# KiCad board Erebus.kicad_pcb
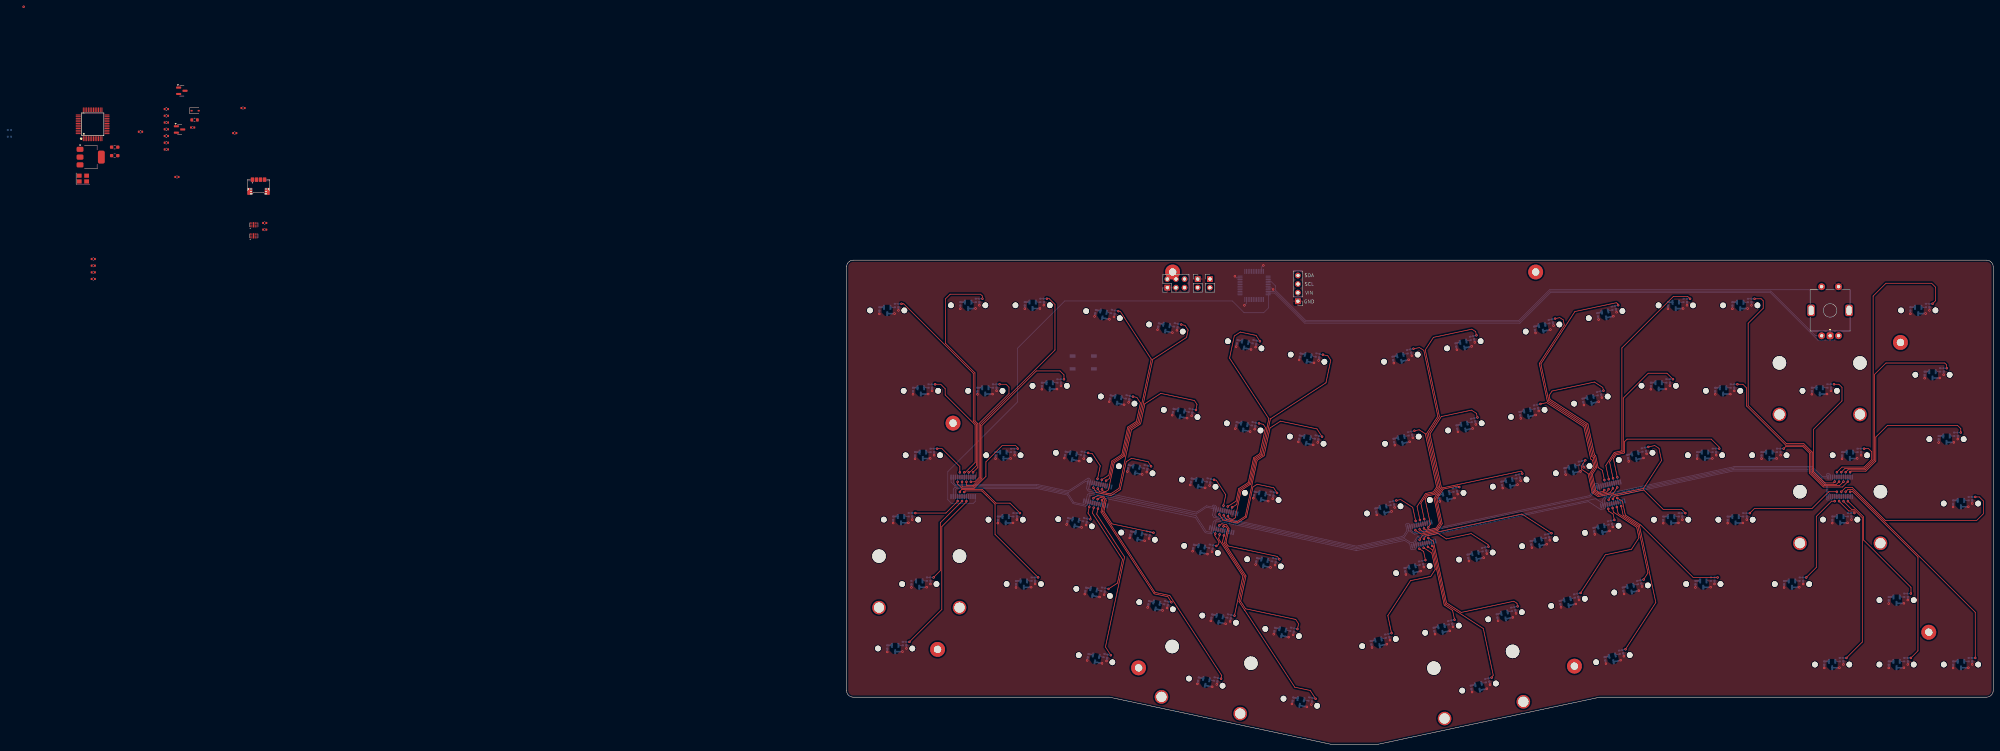
[diagram p0: board, top side]
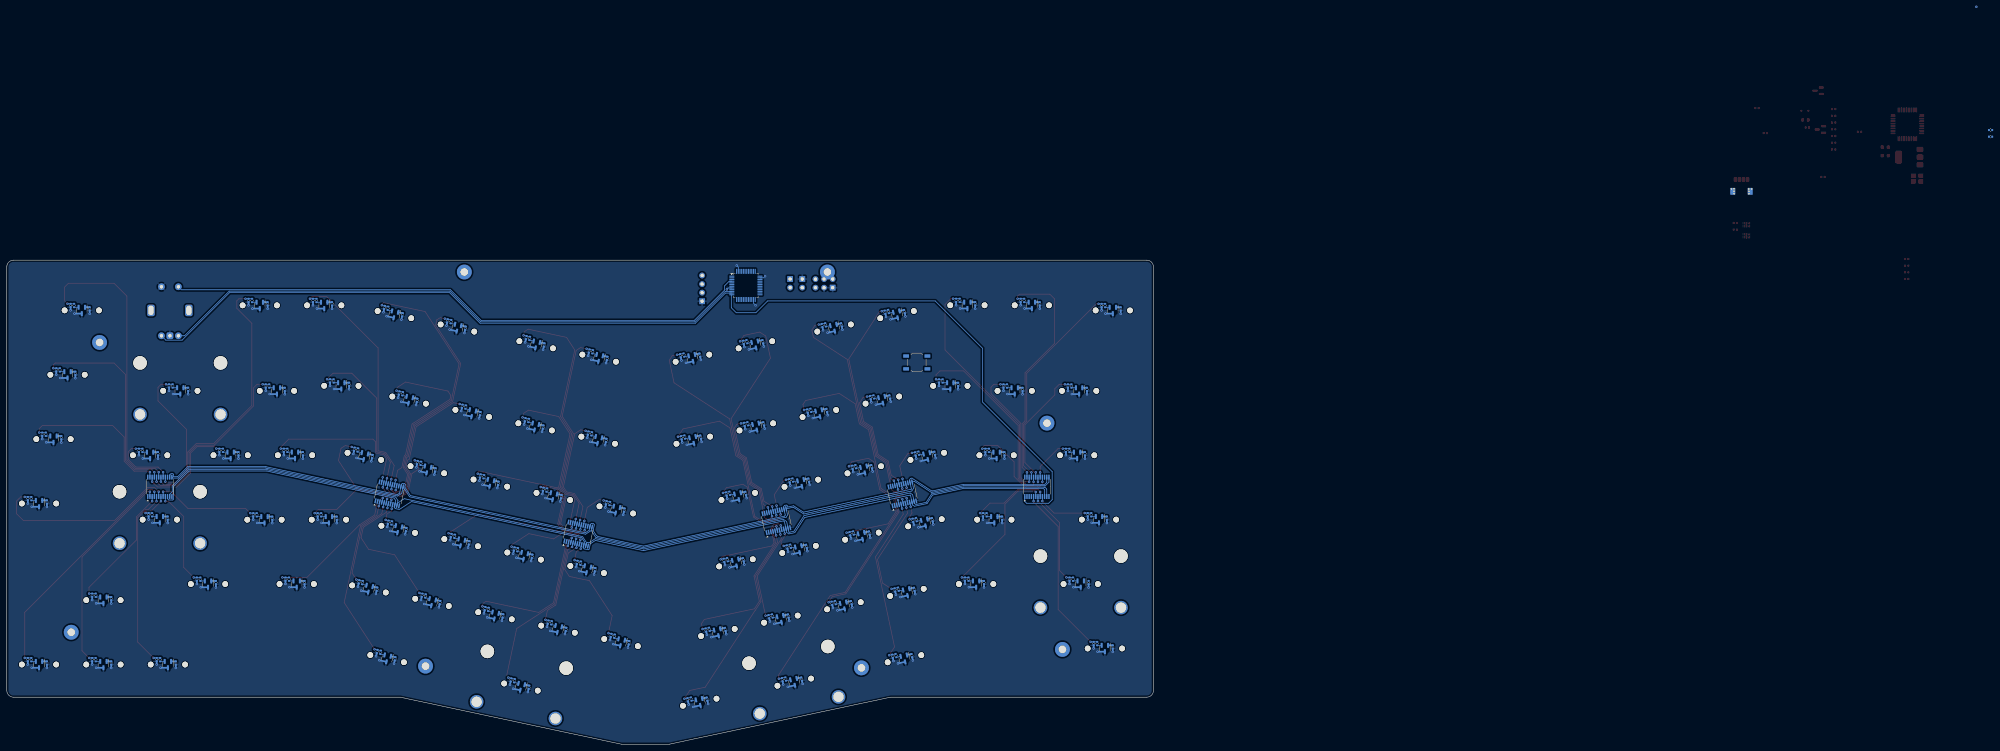
[diagram p1: board, bottom side, seen from below]

Outline 339.09 x 143.19 mm; copper layers: Top, Bottom. Coordinates in mm from the lower left corner of the outline.
Outline path: 0,141.19 0,15.92 arc(0.59,14.5) 2,13.92 77.71,13.92 143.19,0 157.22,0 222.7,13.92 337.09,13.92 arc(338.5,14.5) 339.09,15.92 339.09,141.19 arc(338.5,142.61) 337.09,143.19 2,143.19 arc(0.59,142.61) 0,141.19
Stack: Top 0.035mm / dielectric 1.51mm FR4 er 4.5 / Bottom 0.035mm

## Placement (name value [footprint] x y rotation side)
C1  10u  [C_0402_1005Metric]  -178.46 188.2 0 top
C2  100u  [C_0402_1005Metric]  -180.92 180.78 0 top
C3  22p  [C_0402_1005Metric]  -172.06 154.2 0 top
C4  22p  [C_0402_1005Metric]  -172.06 152.23 0 top
C5  100n  [C_0402_1005Metric]  -222.75 143.54 0 top
C6  100n  [C_0402_1005Metric]  -247.55 181.68 180 bottom
C7  100n  [C_0402_1005Metric]  -247.55 179.71 180 bottom
C8  100n  [C_0402_1005Metric]  -222.75 141.57 0 top
C9  100n  [C_0402_1005Metric]  -222.75 139.6 0 top
C10  100n  [C_0402_1005Metric]  -222.75 137.63 0 top
C11  100n  [C_0402_1005Metric]  9.69 128.78 90 bottom
C12  100n  [C_0402_1005Metric]  15.33 129.8 270 bottom
C13  100n  [C_0402_1005Metric]  33.63 130.29 90 bottom
C14  100n  [C_0402_1005Metric]  39.27 131.31 270 bottom
C15  100n  [C_0402_1005Metric]  52.7 130.3 90 bottom
C16  100n  [C_0402_1005Metric]  58.33 131.32 270 bottom
C17  100n  [C_0402_1005Metric]  73.64 127.99 78 bottom
C18  100n  [C_0402_1005Metric]  79.37 127.82 258 bottom
C19  100n  [C_0402_1005Metric]  92.26 124.04 78 bottom
C20  100n  [C_0402_1005Metric]  97.99 123.87 258 bottom
C21  100n  [C_0402_1005Metric]  115.53 119.08 78 bottom
C22  100n  [C_0402_1005Metric]  121.25 118.9 258 bottom
C23  100n  [C_0402_1005Metric]  134.14 115.12 78 bottom
C24  100n  [C_0402_1005Metric]  139.87 114.94 258 bottom
C25  100n  [C_0402_1005Metric]  161.54 114.16 102 bottom
C26  100n  [C_0402_1005Metric]  166.85 116.33 282 bottom
C27  100n  [C_0402_1005Metric]  180.17 118.13 102 bottom
C28  100n  [C_0402_1005Metric]  185.48 120.3 282 bottom
C29  100n  [C_0402_1005Metric]  203.45 123.08 102 bottom
C30  100n  [C_0402_1005Metric]  208.76 125.25 282 bottom
C31  100n  [C_0402_1005Metric]  222.08 127.04 102 bottom
C32  100n  [C_0402_1005Metric]  227.39 129.21 282 bottom
C33  100n  [C_0402_1005Metric]  242.89 130.28 90 bottom
C34  100n  [C_0402_1005Metric]  248.53 131.3 270 bottom
C35  100n  [C_0402_1005Metric]  261.95 130.28 90 bottom
C36  100n  [C_0402_1005Metric]  267.59 131.3 270 bottom
C37  100n  [C_0402_1005Metric]  314.58 128.79 90 bottom
C38  100n  [C_0402_1005Metric]  320.22 129.81 270 bottom
C39  100n  [C_0402_1005Metric]  19.65 104.98 90 bottom
C40  100n  [C_0402_1005Metric]  25.29 106 270 bottom
C41  100n  [C_0402_1005Metric]  38.7 104.98 90 bottom
C42  100n  [C_0402_1005Metric]  44.34 106 270 bottom
C43  100n  [C_0402_1005Metric]  57.75 106.47 90 bottom
C44  100n  [C_0402_1005Metric]  63.39 107.48 270 bottom
C45  100n  [C_0402_1005Metric]  77.98 102.73 78 bottom
C46  100n  [C_0402_1005Metric]  83.71 102.56 258 bottom
C47  100n  [C_0402_1005Metric]  96.62 98.76 78 bottom
C48  100n  [C_0402_1005Metric]  102.34 98.58 258 bottom
C49  100n  [C_0402_1005Metric]  115.26 94.8 78 bottom
C50  100n  [C_0402_1005Metric]  120.99 94.62 258 bottom
C51  100n  [C_0402_1005Metric]  133.9 90.86 78 bottom
C52  100n  [C_0402_1005Metric]  139.63 90.68 258 bottom
C53  100n  [C_0402_1005Metric]  161.83 89.89 102 bottom
C54  100n  [C_0402_1005Metric]  167.14 92.06 282 bottom
C55  100n  [C_0402_1005Metric]  180.48 93.84 102 bottom
C56  100n  [C_0402_1005Metric]  185.78 96.01 282 bottom
C57  100n  [C_0402_1005Metric]  199.08 97.82 102 bottom
C58  100n  [C_0402_1005Metric]  204.39 99.99 282 bottom
C59  100n  [C_0402_1005Metric]  217.74 101.76 102 bottom
C60  100n  [C_0402_1005Metric]  223.04 103.92 282 bottom
C61  100n  [C_0402_1005Metric]  237.84 106.48 90 bottom
C62  100n  [C_0402_1005Metric]  243.47 107.5 270 bottom
C63  100n  [C_0402_1005Metric]  256.87 104.98 90 bottom
C64  100n  [C_0402_1005Metric]  262.51 106 270 bottom
C65  100n  [C_0402_1005Metric]  285.45 104.99 90 bottom
C66  100n  [C_0402_1005Metric]  291.09 106.01 270 bottom
C67  100n  [C_0402_1005Metric]  318.8 109.74 90 bottom
C68  100n  [C_0402_1005Metric]  324.44 110.76 270 bottom
C69  100n  [C_0402_1005Metric]  20.25 85.93 90 bottom
C70  100n  [C_0402_1005Metric]  25.89 86.95 270 bottom
C71  100n  [C_0402_1005Metric]  44.06 85.93 90 bottom
C72  100n  [C_0402_1005Metric]  49.7 86.95 270 bottom
C73  100n  [C_0402_1005Metric]  64.7 86.07 78 bottom
C74  100n  [C_0402_1005Metric]  70.43 85.9 258 bottom
C75  100n  [C_0402_1005Metric]  83.33 82.11 78 bottom
C76  100n  [C_0402_1005Metric]  89.06 81.93 258 bottom
C77  100n  [C_0402_1005Metric]  101.95 78.13 78 bottom
C78  100n  [C_0402_1005Metric]  107.68 77.96 258 bottom
C79  100n  [C_0402_1005Metric]  120.59 74.22 78 bottom
C80  100n  [C_0402_1005Metric]  126.32 74.05 258 bottom
C81  100n  [C_0402_1005Metric]  156.49 69.28 102 bottom
C82  100n  [C_0402_1005Metric]  161.79 71.45 282 bottom
C83  100n  [C_0402_1005Metric]  175.11 73.26 102 bottom
C84  100n  [C_0402_1005Metric]  180.41 75.43 282 bottom
C85  100n  [C_0402_1005Metric]  193.72 77.21 102 bottom
C86  100n  [C_0402_1005Metric]  199.03 79.38 282 bottom
C87  100n  [C_0402_1005Metric]  212.36 81.17 102 bottom
C88  100n  [C_0402_1005Metric]  217.66 83.34 282 bottom
C89  100n  [C_0402_1005Metric]  230.99 85.12 102 bottom
C90  100n  [C_0402_1005Metric]  236.29 87.29 282 bottom
C91  100n  [C_0402_1005Metric]  251.53 85.94 90 bottom
C92  100n  [C_0402_1005Metric]  257.17 86.96 270 bottom
C93  100n  [C_0402_1005Metric]  270.56 85.94 90 bottom
C94  100n  [C_0402_1005Metric]  276.2 86.96 270 bottom
C95  100n  [C_0402_1005Metric]  294.38 85.93 90 bottom
C96  100n  [C_0402_1005Metric]  300.01 86.95 270 bottom
C97  100n  [C_0402_1005Metric]  322.95 90.7 90 bottom
C98  100n  [C_0402_1005Metric]  328.59 91.72 270 bottom
C99  100n  [C_0402_1005Metric]  13.78 66.89 90 bottom
C100  100n  [C_0402_1005Metric]  19.42 67.91 270 bottom
C101  100n  [C_0402_1005Metric]  44.73 66.88 90 bottom
C102  100n  [C_0402_1005Metric]  50.37 67.9 270 bottom
C103  100n  [C_0402_1005Metric]  65.4 66.44 78 bottom
C104  100n  [C_0402_1005Metric]  71.13 66.26 258 bottom
C105  100n  [C_0402_1005Metric]  84.03 62.48 78 bottom
C106  100n  [C_0402_1005Metric]  89.76 62.3 258 bottom
C107  100n  [C_0402_1005Metric]  102.62 58.55 78 bottom
C108  100n  [C_0402_1005Metric]  108.35 58.38 258 bottom
C109  100n  [C_0402_1005Metric]  121.27 54.59 78 bottom
C110  100n  [C_0402_1005Metric]  126.99 54.41 258 bottom
C111  100n  [C_0402_1005Metric]  165.1 51.64 102 bottom
C112  100n  [C_0402_1005Metric]  170.4 53.81 282 bottom
C113  100n  [C_0402_1005Metric]  183.73 55.62 102 bottom
C114  100n  [C_0402_1005Metric]  189.03 57.79 282 bottom
C115  100n  [C_0402_1005Metric]  202.36 59.59 102 bottom
C116  100n  [C_0402_1005Metric]  207.66 61.76 282 bottom
C117  100n  [C_0402_1005Metric]  220.97 63.53 102 bottom
C118  100n  [C_0402_1005Metric]  226.27 65.7 282 bottom
C119  100n  [C_0402_1005Metric]  241.51 66.87 90 bottom
C120  100n  [C_0402_1005Metric]  247.14 67.89 270 bottom
C121  100n  [C_0402_1005Metric]  260.56 66.87 90 bottom
C122  100n  [C_0402_1005Metric]  266.19 67.89 270 bottom
C123  100n  [C_0402_1005Metric]  291.51 66.89 90 bottom
C124  100n  [C_0402_1005Metric]  297.14 67.91 270 bottom
C125  100n  [C_0402_1005Metric]  327.22 71.65 90 bottom
C126  100n  [C_0402_1005Metric]  332.86 72.67 270 bottom
C127  100n  [C_0402_1005Metric]  19.18 47.84 90 bottom
C128  100n  [C_0402_1005Metric]  24.82 48.86 270 bottom
C129  100n  [C_0402_1005Metric]  50.1 47.84 90 bottom
C130  100n  [C_0402_1005Metric]  55.74 48.86 270 bottom
C131  100n  [C_0402_1005Metric]  70.73 45.84 78 bottom
C132  100n  [C_0402_1005Metric]  76.46 45.66 258 bottom
C133  100n  [C_0402_1005Metric]  89.35 41.89 78 bottom
C134  100n  [C_0402_1005Metric]  95.08 41.71 258 bottom
C135  100n  [C_0402_1005Metric]  107.99 37.93 78 bottom
C136  100n  [C_0402_1005Metric]  113.72 37.75 258 bottom
C137  100n  [C_0402_1005Metric]  126.63 33.98 78 bottom
C138  100n  [C_0402_1005Metric]  132.35 33.8 258 bottom
C139  100n  [C_0402_1005Metric]  173.71 33.99 102 bottom
C140  100n  [C_0402_1005Metric]  179.01 36.16 282 bottom
C141  100n  [C_0402_1005Metric]  192.35 37.96 102 bottom
C142  100n  [C_0402_1005Metric]  197.66 40.13 282 bottom
C143  100n  [C_0402_1005Metric]  210.97 41.93 102 bottom
C144  100n  [C_0402_1005Metric]  216.27 44.1 282 bottom
C145  100n  [C_0402_1005Metric]  229.61 45.89 102 bottom
C146  100n  [C_0402_1005Metric]  234.92 48.06 282 bottom
C147  100n  [C_0402_1005Metric]  251.03 47.84 90 bottom
C148  100n  [C_0402_1005Metric]  256.67 48.86 270 bottom
C149  100n  [C_0402_1005Metric]  277.24 47.83 90 bottom
C150  100n  [C_0402_1005Metric]  282.88 48.85 270 bottom
C151  100n  [C_0402_1005Metric]  308.18 43.08 90 bottom
C152  100n  [C_0402_1005Metric]  313.82 44.1 270 bottom
C153  100n  [C_0402_1005Metric]  12.04 28.78 90 bottom
C154  100n  [C_0402_1005Metric]  17.68 29.8 270 bottom
C155  100n  [C_0402_1005Metric]  71.44 26.22 78 bottom
C156  100n  [C_0402_1005Metric]  77.17 26.04 258 bottom
C157  100n  [C_0402_1005Metric]  104.05 19.28 78 bottom
C158  100n  [C_0402_1005Metric]  109.77 19.11 258 bottom
C159  100n  [C_0402_1005Metric]  132 13.35 78 bottom
C160  100n  [C_0402_1005Metric]  137.73 13.18 258 bottom
C161  100n  [C_0402_1005Metric]  184.67 16.87 102 bottom
C162  100n  [C_0402_1005Metric]  189.97 19.04 282 bottom
C163  100n  [C_0402_1005Metric]  224.26 25.28 102 bottom
C164  100n  [C_0402_1005Metric]  229.56 27.45 282 bottom
C165  100n  [C_0402_1005Metric]  289.12 24.03 90 bottom
C166  100n  [C_0402_1005Metric]  294.76 25.05 270 bottom
C167  100n  [C_0402_1005Metric]  308.18 24.03 90 bottom
C168  100n  [C_0402_1005Metric]  313.82 25.05 270 bottom
C169  10u  [C_0402_1005Metric]  -198.02 167.8 0 top
C170  100n  [C_0402_1005Metric]  -193.37 182.44 0 top
C171  100n  [C_0402_1005Metric]  327.23 24.03 90 bottom
C172  100n  [C_0402_1005Metric]  332.87 25.05 270 bottom
C173  100n  [C_0402_1005Metric]  155.07 30.03 102 bottom
C174  100n  [C_0402_1005Metric]  160.38 32.2 282 bottom
D1  1N4148WS  [D_SOD-323]  -192.63 187.41 0 top
ENCODER1  EC11E  [ROT_Alps_EC11E-Switch]  290.84 128.33 0 top
H1  MountingHole  [MountingHole_2.2mm_M2_Pad]  31.48 94.98 0 top
H2  MountingHole  [MountingHole_2.2mm_M2_Pad]  26.91 28.05 0 top
H3  MountingHole  [MountingHole_2.2mm_M2_Pad]  96.41 139.69 0 top
H4  MountingHole  [MountingHole_2.2mm_M2_Pad]  86.35 22.59 0 top
H5  MountingHole  [MountingHole_2.2mm_M2_Pad]  203.78 139.69 0 top
H6  MountingHole  [MountingHole_2.2mm_M2_Pad]  215.25 23.1 0 top
H7  MountingHole  [MountingHole_2.2mm_M2_Pad]  311.65 118.86 0 top
H8  MountingHole  [MountingHole_2.2mm_M2_Pad]  320.03 33.13 0 top
JP1  Jumper_2_Open  [PinHeader_1x02_P2.54mm_Vertical]  103.84 137.61 0 top
JP2  Jumper_2_Open  [PinHeader_1x02_P2.54mm_Vertical]  107.44 137.61 0 top
OLED1  Conn_01x04_Socket  [OLED Module]  133.47 134.85 0 top
Q1  BSS138  [SOT-23]  -196.57 193.3 0 top
Q2  BSS138  [SOT-23]  -197.25 181.86 0 top
R1  0  [R_0603_1608Metric_Pad0.98x0.95mm_HandSolder]  -216.43 176.63 0 top
R2  0  [R_0603_1608Metric_Pad0.98x0.95mm_HandSolder]  -216.43 174.12 0 top
R3  1k5  [R_0402_1005Metric]  -208.8 181.19 0 top
R4  10k  [R_0402_1005Metric]  14.29 129.77 270 bottom
R5  10k  [R_0402_1005Metric]  38.23 131.28 270 bottom
R6  10k  [R_0402_1005Metric]  57.29 131.29 270 bottom
R7  10k  [R_0402_1005Metric]  78.34 128.01 258 bottom
R8  10k  [R_0402_1005Metric]  96.96 124.06 258 bottom
R9  10k  [R_0402_1005Metric]  120.23 119.09 258 bottom
R10  10k  [R_0402_1005Metric]  138.85 115.13 258 bottom
R11  10k  [R_0402_1005Metric]  165.83 116.09 282 bottom
R12  10k  [R_0402_1005Metric]  184.46 120.05 282 bottom
R13  10k  [R_0402_1005Metric]  207.74 125 282 bottom
R14  10k  [R_0402_1005Metric]  226.37 128.97 282 bottom
R15  10k  [R_0402_1005Metric]  247.49 131.27 270 bottom
R16  10k  [R_0402_1005Metric]  266.55 131.27 270 bottom
R17  10k  [R_0402_1005Metric]  319.18 129.78 270 bottom
R18  10k  [R_0402_1005Metric]  24.25 105.97 270 bottom
R19  10k  [R_0402_1005Metric]  43.3 105.97 270 bottom
R20  10k  [R_0402_1005Metric]  62.35 107.46 270 bottom
R21  10k  [R_0402_1005Metric]  82.69 102.75 258 bottom
R22  10k  [R_0402_1005Metric]  101.32 98.77 258 bottom
R23  10k  [R_0402_1005Metric]  119.96 94.81 258 bottom
R24  10k  [R_0402_1005Metric]  138.61 90.87 258 bottom
R25  10k  [R_0402_1005Metric]  166.13 91.82 282 bottom
R26  10k  [R_0402_1005Metric]  184.77 95.77 282 bottom
R27  10k  [R_0402_1005Metric]  203.37 99.74 282 bottom
R28  10k  [R_0402_1005Metric]  222.03 103.68 282 bottom
R29  10k  [R_0402_1005Metric]  242.43 107.47 270 bottom
R30  10k  [R_0402_1005Metric]  261.47 105.97 270 bottom
R31  10k  [R_0402_1005Metric]  290.05 105.98 270 bottom
R32  10k  [R_0402_1005Metric]  323.4 110.73 270 bottom
R33  10k  [R_0402_1005Metric]  24.84 86.92 270 bottom
R34  10k  [R_0402_1005Metric]  48.66 86.92 270 bottom
R35  10k  [R_0402_1005Metric]  69.4 86.09 258 bottom
R36  10k  [R_0402_1005Metric]  88.03 82.12 258 bottom
R37  10k  [R_0402_1005Metric]  106.65 78.15 258 bottom
R38  10k  [R_0402_1005Metric]  125.3 74.24 258 bottom
R39  10k  [R_0402_1005Metric]  160.78 71.21 282 bottom
R40  10k  [R_0402_1005Metric]  179.4 75.18 282 bottom
R41  10k  [R_0402_1005Metric]  198.02 79.13 282 bottom
R42  10k  [R_0402_1005Metric]  216.65 83.09 282 bottom
R43  10k  [R_0402_1005Metric]  235.28 87.04 282 bottom
R44  10k  [R_0402_1005Metric]  256.12 86.93 270 bottom
R45  10k  [R_0402_1005Metric]  275.16 86.93 270 bottom
R46  10k  [R_0402_1005Metric]  298.97 86.92 270 bottom
R47  10k  [R_0402_1005Metric]  327.55 91.7 270 bottom
R48  10k  [R_0402_1005Metric]  18.38 67.88 270 bottom
R49  10k  [R_0402_1005Metric]  49.33 67.87 270 bottom
R50  10k  [R_0402_1005Metric]  70.1 66.45 258 bottom
R51  10k  [R_0402_1005Metric]  88.73 62.49 258 bottom
R52  10k  [R_0402_1005Metric]  107.33 58.56 258 bottom
R53  10k  [R_0402_1005Metric]  125.97 54.6 258 bottom
R54  10k  [R_0402_1005Metric]  169.39 53.57 282 bottom
R55  10k  [R_0402_1005Metric]  188.02 57.54 282 bottom
R56  10k  [R_0402_1005Metric]  206.65 61.52 282 bottom
R57  10k  [R_0402_1005Metric]  225.26 65.45 282 bottom
R58  10k  [R_0402_1005Metric]  246.1 67.86 270 bottom
R59  10k  [R_0402_1005Metric]  265.15 67.86 270 bottom
R60  10k  [R_0402_1005Metric]  296.1 67.88 270 bottom
R61  10k  [R_0402_1005Metric]  331.82 72.65 270 bottom
R62  10k  [R_0402_1005Metric]  23.78 48.83 270 bottom
R63  10k  [R_0402_1005Metric]  54.7 48.83 270 bottom
R64  10k  [R_0402_1005Metric]  75.44 45.85 258 bottom
R65  10k  [R_0402_1005Metric]  94.05 41.9 258 bottom
R66  10k  [R_0402_1005Metric]  112.7 37.94 258 bottom
R67  10k  [R_0402_1005Metric]  131.33 33.99 258 bottom
R68  10k  [R_0402_1005Metric]  178 35.91 282 bottom
R69  10k  [R_0402_1005Metric]  196.64 39.89 282 bottom
R70  10k  [R_0402_1005Metric]  215.26 43.85 282 bottom
R71  10k  [R_0402_1005Metric]  233.91 47.81 282 bottom
R72  10k  [R_0402_1005Metric]  255.63 48.83 270 bottom
R73  10k  [R_0402_1005Metric]  281.84 48.82 270 bottom
R74  10k  [R_0402_1005Metric]  312.78 44.07 270 bottom
R75  10k  [R_0402_1005Metric]  16.64 29.77 270 bottom
R76  10k  [R_0402_1005Metric]  76.15 26.23 258 bottom
R77  10k  [R_0402_1005Metric]  108.75 19.3 258 bottom
R78  10k  [R_0402_1005Metric]  136.7 13.36 258 bottom
R79  10k  [R_0402_1005Metric]  188.96 18.79 282 bottom
R80  10k  [R_0402_1005Metric]  228.55 27.2 282 bottom
R81  10k  [R_0402_1005Metric]  293.72 25.02 270 bottom
R82  10k  [R_0402_1005Metric]  312.78 25.02 270 bottom
R83  330k  [R_0603_1608Metric]  -192.8 184.68 0 top
R84  1M  [R_0402_1005Metric]  -201.15 187.89 0 top
R85  10k  [R_0402_1005Metric]  -201.15 185.9 0 top
R86  10k  [R_0402_1005Metric]  -201.15 183.91 0 top
R87  100k  [R_0402_1005Metric]  -201.15 181.92 0 top
R88  100  [R_0402_1005Metric]  -201.15 179.93 0 top
R89  1k  [R_0402_1005Metric]  -201.15 177.94 0 top
R90  10k  [R_0402_1005Metric]  -201.15 175.95 0 top
R91  10k  [R_0402_1005Metric]  331.83 25.02 270 bottom
R92  10k  [R_0402_1005Metric]  159.37 31.96 282 bottom
S1  MX_stab  [STAB_MX_P_2u]  287.77 104.54 180 top
S2  MX_stab  [STAB_MX_P_2.25u]  293.83 66.44 180 top
S3  MX_stab  [STAB_MX_P_2.25u]  21.5 47.39 180 top
S4  MX_stab  [STAB_MX_P_2u]  106.22 18.36 168 top
S5  MX_stab  [STAB_MX_P_2.75u]  187.03 16.91 192 top
SW1  SW_SPST  [SW_SPST_TL3342]  69.99 112.94 180 bottom
SW2  SLSS49E-3  [SLSS49E-3 with MX holes]  12.01 128.33 180 bottom
SW3  SLSS49E-3  [SLSS49E-3 with MX holes]  35.95 129.84 180 bottom
SW4  SLSS49E-3  [SLSS49E-3 with MX holes]  55.02 129.86 180 bottom
SW5  SLSS49E-3  [SLSS49E-3 with MX holes]  75.82 127.07 168 bottom
SW6  SLSS49E-3  [SLSS49E-3 with MX holes]  94.44 123.12 168 bottom
SW7  SLSS49E-3  [SLSS49E-3 with MX holes]  117.7 118.16 168 bottom
SW8  SLSS49E-3  [SLSS49E-3 with MX holes]  136.32 114.2 168 bottom
SW9  SLSS49E-3  [SLSS49E-3 with MX holes]  163.91 114.21 192 bottom
SW10  SLSS49E-3  [SLSS49E-3 with MX holes]  182.54 118.17 192 bottom
SW11  SLSS49E-3  [SLSS49E-3 with MX holes]  205.82 123.12 192 bottom
SW12  SLSS49E-3  [SLSS49E-3 with MX holes]  224.45 127.09 192 bottom
SW13  SLSS49E-3  [SLSS49E-3 with MX holes]  245.21 129.83 180 bottom
SW14  SLSS49E-3  [SLSS49E-3 with MX holes]  264.27 129.83 180 bottom
SW15  SLSS49E-3  [SLSS49E-3 with MX holes]  316.9 128.34 180 bottom
SW16  SLSS49E-3  [SLSS49E-3 with MX holes]  21.97 104.53 180 bottom
SW17  SLSS49E-3  [SLSS49E-3 with MX holes]  41.03 104.53 180 bottom
SW18  SLSS49E-3  [SLSS49E-3 with MX holes]  60.07 106.02 180 bottom
SW19  SLSS49E-3  [SLSS49E-3 with MX holes]  80.16 101.81 168 bottom
SW20  SLSS49E-3  [SLSS49E-3 with MX holes]  98.79 97.84 168 bottom
SW21  SLSS49E-3  [SLSS49E-3 with MX holes]  117.44 93.88 168 bottom
SW22  SLSS49E-3  [SLSS49E-3 with MX holes]  136.08 89.94 168 bottom
SW23  SLSS49E-3  [SLSS49E-3 with MX holes]  164.2 89.94 192 bottom
SW24  SLSS49E-3  [SLSS49E-3 with MX holes]  182.84 93.89 192 bottom
SW25  SLSS49E-3  [SLSS49E-3 with MX holes]  201.45 97.86 192 bottom
SW26  SLSS49E-3  [SLSS49E-3 with MX holes]  220.1 101.8 192 bottom
SW27  SLSS49E-3  [SLSS49E-3 with MX holes]  240.16 106.03 180 bottom
SW28  SLSS49E-3  [SLSS49E-3 with MX holes]  259.19 104.53 180 bottom
SW29  SLSS49E-3  [SLSS49E-3 with MX holes]  287.77 104.54 180 bottom
SW30  SLSS49E-3  [SLSS49E-3 with MX holes]  321.12 109.29 180 bottom
SW31  SLSS49E-3  [SLSS49E-3 with MX holes]  22.57 85.48 180 bottom
SW32  SLSS49E-3  [SLSS49E-3 with MX holes]  46.38 85.48 180 bottom
SW33  SLSS49E-3  [SLSS49E-3 with MX holes]  66.88 85.15 168 bottom
SW34  SLSS49E-3  [SLSS49E-3 with MX holes]  85.51 81.19 168 bottom
SW35  SLSS49E-3  [SLSS49E-3 with MX holes]  104.13 77.21 168 bottom
SW36  SLSS49E-3  [SLSS49E-3 with MX holes]  122.77 73.3 168 bottom
SW37  SLSS49E-3  [SLSS49E-3 with MX holes]  158.85 69.33 192 bottom
SW38  SLSS49E-3  [SLSS49E-3 with MX holes]  177.47 73.3 192 bottom
SW39  SLSS49E-3  [SLSS49E-3 with MX holes]  196.09 77.25 192 bottom
SW40  SLSS49E-3  [SLSS49E-3 with MX holes]  214.72 81.21 192 bottom
SW41  SLSS49E-3  [SLSS49E-3 with MX holes]  233.35 85.16 192 bottom
SW42  SLSS49E-3  [SLSS49E-3 with MX holes]  253.85 85.49 180 bottom
SW43  SLSS49E-3  [SLSS49E-3 with MX holes]  272.89 85.49 180 bottom
SW44  SLSS49E-3  [SLSS49E-3 with MX holes]  296.7 85.48 180 bottom
SW45  SLSS49E-3  [SLSS49E-3 with MX holes]  325.27 90.26 180 bottom
SW46  SLSS49E-3  [SLSS49E-3 with MX holes]  16.1 66.44 180 bottom
SW47  SLSS49E-3  [SLSS49E-3 with MX holes]  47.05 66.43 180 bottom
SW48  SLSS49E-3  [SLSS49E-3 with MX holes]  67.58 65.52 168 bottom
SW49  SLSS49E-3  [SLSS49E-3 with MX holes]  86.21 61.55 168 bottom
SW50  SLSS49E-3  [SLSS49E-3 with MX holes]  104.8 57.63 168 bottom
SW51  SLSS49E-3  [SLSS49E-3 with MX holes]  123.44 53.67 168 bottom
SW52  SLSS49E-3  [SLSS49E-3 with MX holes]  167.46 51.69 192 bottom
SW53  SLSS49E-3  [SLSS49E-3 with MX holes]  186.09 55.66 192 bottom
SW54  SLSS49E-3  [SLSS49E-3 with MX holes]  204.72 59.64 192 bottom
SW55  SLSS49E-3  [SLSS49E-3 with MX holes]  223.33 63.57 192 bottom
SW56  SLSS49E-3  [SLSS49E-3 with MX holes]  243.83 66.42 180 bottom
SW57  SLSS49E-3  [SLSS49E-3 with MX holes]  262.88 66.42 180 bottom
SW58  SLSS49E-3  [SLSS49E-3 with MX holes]  293.83 66.44 180 bottom
SW59  SLSS49E-3  [SLSS49E-3 with MX holes]  329.54 71.21 180 bottom
SW60  SLSS49E-3  [SLSS49E-3 with MX holes]  21.5 47.39 180 bottom
SW61  SLSS49E-3  [SLSS49E-3 with MX holes]  52.43 47.39 180 bottom
SW62  SLSS49E-3  [SLSS49E-3 with MX holes]  72.91 44.92 168 bottom
SW63  SLSS49E-3  [SLSS49E-3 with MX holes]  91.53 40.97 168 bottom
SW64  SLSS49E-3  [SLSS49E-3 with MX holes]  110.17 37.01 168 bottom
SW65  SLSS49E-3  [SLSS49E-3 with MX holes]  128.8 33.06 168 bottom
SW66  SLSS49E-3  [SLSS49E-3 with MX holes]  176.07 34.03 192 bottom
SW67  SLSS49E-3  [SLSS49E-3 with MX holes]  194.72 38.01 192 bottom
SW68  SLSS49E-3  [SLSS49E-3 with MX holes]  213.33 41.97 192 bottom
SW69  SLSS49E-3  [SLSS49E-3 with MX holes]  231.98 45.93 192 bottom
SW70  SLSS49E-3  [SLSS49E-3 with MX holes]  253.35 47.39 180 bottom
SW71  SLSS49E-3  [SLSS49E-3 with MX holes]  279.57 47.38 180 bottom
SW72  SLSS49E-3  [SLSS49E-3 with MX holes]  310.5 42.63 180 bottom
SW73  SLSS49E-3  [SLSS49E-3 with MX holes]  14.36 28.33 180 bottom
SW74  SLSS49E-3  [SLSS49E-3 with MX holes]  73.62 25.3 168 bottom
SW75  SLSS49E-3  [SLSS49E-3 with MX holes]  106.22 18.36 168 bottom
SW76  SLSS49E-3  [SLSS49E-3 with MX holes]  134.18 12.43 168 bottom
SW77  SLSS49E-3  [SLSS49E-3 with MX holes]  187.03 16.91 192 bottom
SW78  SLSS49E-3  [SLSS49E-3 with MX holes]  226.62 25.32 192 bottom
SW79  SLSS49E-3  [SLSS49E-3 with MX holes]  291.44 23.58 180 bottom
SW80  SLSS49E-3  [SLSS49E-3 with MX holes]  310.5 23.58 180 bottom
SW81  SLSS49E-3  [SLSS49E-3 with MX holes]  329.55 23.58 180 bottom
SW82  SLSS49E-3  [SLSS49E-3 with MX holes]  157.44 30.08 192 bottom
SWD1  Conn_02x03_Odd_Even  [PinHeader_2x03_P2.54mm_Vertical]  94.86 135.06 90 top
U1  AMS1117-3.3  [SOT-223-3_TabPin2]  -223.53 173.68 0 top
U2  H5VU25U  [DFN2510]  -175.35 153.66 0 top
U3  H5VU25U  [DFN2510]  -175.35 150.38 0 top
U4  AT32F415CBT7  [LQFP-48_L7.0-W7.0-P0.50-LS9.0-BL]  -222.95 183.38 0 top
U5  STM32F303CBTx  [LQFP-48_7x7mm_P0.5mm]  120.52 135.71 180 bottom
U6  74HC4067  [TSSOP-24_4.4x7.8mm_P0.65mm]  74.25 74.03 78 bottom
U7  74HC4067  [TSSOP-24_4.4x7.8mm_P0.65mm]  34.47 76.14 90 bottom
U8  74HC4067  [TSSOP-24_4.4x7.8mm_P0.65mm]  111.51 66.12 78 bottom